# Allegro board SG2042_EVB_V2_0.brd (continued)
## Routing (per net, layer and track width the routed paths; a pad name or vN(x,y) marks a point on that pad's centre or on a via; arc(x,y) is an arc through that point) (continued)
  TOP w0.102: R1228.2 R21.1 R27.2 199.01,245.9 190.55,245.9 J7.3
SPIF1_CLK_SEL1: length 12.8
  TOP w0.102: J7.5 190.55,248.44 198.96,248.44 199.21,248.69 R28.2 R22.1 R1229.2
SPIF1_CS_X: length 31.8
  TOP w0.102: v1(208.53,262.28) R1230.2 R1263.1 209.14,261.42 U813.1
  ART14 w0.102: J7.7 191.01,253.67 191.01,261.29 v1(191.16,261.44)
  BOTTOM w0.102: v1(191.16,261.44) 191.62,260.99 198.5,260.99 198.98,261.47 202.56,261.47 202.92,261.82 208.08,261.82 v1(208.53,262.28)
SPIF1_HOLD_X: length 36.1
  TOP w0.102: v1(206.6,265.4) 199.31,265.4 198.96,265.76 190.4,265.76 J7.17 ; v1(207.26,251.31) R1231.2 R1266.1 207.87,252.17 U813.7
  ART14 w0.102: v1(207.26,251.31) 207.26,261.21 207.72,261.67 207.72,262.74 207.11,263.35 207.11,264.9 v1(206.6,265.4)
SPIF1_SCK: length 20.3
  TOP w0.102: v1(205.99,251.31) R1232.2 U813.6
  BOTTOM w0.102: J7.9 190.7,253.37 200.69,253.37 201.32,252.73 204.57,252.73 v1(205.99,251.31)
SPIF1_SDI: length 24.8
  TOP w0.102: v1(207.26,262.28) R1233.2 U813.2
  ART14 w0.102: v1(191.16,262.05) 190.75,261.65 190.75,258.5 J7.11
  BOTTOM w0.102: v1(191.16,262.05) 191.92,261.29 198.37,261.29 198.86,261.77 202.44,261.77 202.95,262.28 v1(207.26,262.28)
SPIF1_SDO: length 28.9
  TOP w0.102: v1(204.72,251.31) R1234.2 U813.5 ; v1(204.52,261.37) 203.5,260.35 199.31,260.35 198.98,260.68 190.4,260.68 J7.13
  ART14 w0.102: v1(204.72,251.31) 205.1,251.69 205.1,260.78 v1(204.52,261.37)
SPIF1_WP_X: length 19.7
  TOP w0.102: J7.15 190.4,263.22 198.96,263.22 199.29,262.89 202.34,262.89 202.95,262.28 R1265.2 R1264.1 R1235.2 U813.3
SPISCK: length 11.8
  TOP w0.102: R12579.2 U3242.6 26.54,140.59 23.34,143.79 20.88,143.79 20.27,144.4 R12589.1
SPISCK_22472209: length 11.7
  TOP w0.102: R12808.2 U3260.6 220.42,151.05 217.22,154.25 214.88,154.25 214.27,154.86 R12820.1
SPISI: length 13.4
  TOP w0.102: U3242.5 R12581.2 v1(29.97,139.93) ; R12590.1 v1(21.13,144.3)
  BOTTOM w0.102: v1(29.97,139.93) 25.5,139.93 v1(21.13,144.3)
SPISI_22472228: length 13.3
  TOP w0.102: R12822.1 v1(215.14,154.76) ; v1(223.85,150.39) R12810.2 U3260.5
  BOTTOM w0.102: v1(215.14,154.76) 219.51,150.39 v1(223.85,150.39)
SPISO: length 5
  TOP w0.102: 21.77,141.86 R12592.1 v1(20.22,142.47) ; R12591.1 v1(19.25,144.3)
  BOTTOM w0.102: v1(20.22,142.47) 20.22,143.33 v1(19.25,144.3)
SPISO_22472287: length 4.9
  TOP w0.102: v1(214.1,152.93) R12825.1 U3260.2 ; R12823.1 v1(213.26,154.76)
  BOTTOM w0.102: v1(214.1,152.93) 213.26,153.77 v1(213.26,154.76)
SREXT_10048: length 1.4
  TOP w0.102: U3237.18 222.05,66.62 R12562.1
SRX_A_N: length 10.8
  TOP w0.081: v1(225.04,63.25) 224.97,63.32 arc(224.93,63.38) 224.92,63.45 C5849.1
  ART14 w0.089: v1(225.04,63.25) 225.14,63.34 arc(225.21,63.44) 225.23,63.55 225.23,63.67 arc(225.36,63.99) 225.69,64.13 225.87,64.13 arc(226.27,64.05) 226.61,63.82 226.63,63.81 arc(226.86,63.47) 226.94,63.06 226.94,62.97 arc(226.84,62.5) 226.58,62.1 226.26,61.78 arc(225.87,61.52) 225.41,61.43 224.05,61.43 arc(223.71,61.36) 223.43,61.17 223.01,60.75 arc(222.78,60.41) 222.7,60.01 222.7,59.64 arc(222.73,59.58) 222.79,59.55 J73.5
SRX_A_N_L: length 3.4
  TOP w0.081: U3237.23 224.55,67.18 224.68,67.04 224.68,66.08 225.23,65.53 225.23,64.98 C5849.2
SRX_A_P: length 10.8
  TOP w0.081: C5841.1 225.78,63.37 v1(225.65,63.25)
  ART14 w0.089: J73.6 222.37,59.55 arc(222.43,59.58) 222.46,59.64 222.46,60.01 arc(222.56,60.5) 222.84,60.92 223.25,61.34 arc(223.62,61.59) 224.05,61.67 224.28,61.67 arc(224.45,61.74) 224.52,61.91 224.52,62.01 arc(224.75,62.25) 224.99,62.01 224.99,61.91 arc(225.06,61.74) 225.22,61.67 225.41,61.67 arc(225.78,61.74) 226.09,61.95 226.41,62.27 arc(226.62,62.59) 226.69,62.97 226.69,63.06 arc(226.63,63.37) 226.46,63.64 226.44,63.65 arc(226.18,63.83) 225.87,63.89 225.69,63.89 arc(225.53,63.82) 225.47,63.67 225.47,63.55 arc(225.49,63.44) 225.56,63.34 v1(225.65,63.25)
SRX_A_P_L: length 3.4
  TOP w0.081: C5841.2 225.47,64.98 225.47,65.63 224.92,66.18 224.92,67.04 225.05,67.18 U3237.24
SRX_B_N: length 20.8
  TOP w0.081: C5852.2 219.68,63.37 v1(219.56,63.25)
  ART14 w0.089: J2048.5 202.36,59.55 arc(202.3,59.58) 202.27,59.64 202.27,59.95 arc(202.34,60.31) 202.54,60.61 203.08,61.14 arc(203.96,61.73) 205,61.94 218.57,61.94 arc(218.87,62) 219.13,62.17 219.14,62.18 arc(219.31,62.44) 219.37,62.74 219.37,62.94 arc(219.4,63.05) 219.46,63.15 v1(219.56,63.25)
SRX_B_N_L: length 3.4
  TOP w0.081: U3237.14 220.05,67.18 219.92,67.04 219.92,66.08 219.37,65.53 219.37,64.98 C5852.1
SRX_B_P: length 20.8
  TOP w0.081: v1(218.95,63.25) 218.82,63.37 C5840.2
  ART14 w0.089: J2048.6 201.94,59.55 arc(202,59.58) 202.03,59.64 202.03,59.95 arc(202.12,60.4) 202.37,60.78 202.91,61.32 arc(203.87,61.95) 205,62.18 218.57,62.18 arc(218.78,62.22) 218.96,62.34 218.97,62.36 arc(219.09,62.53) 219.13,62.74 219.13,62.94 arc(219.11,63.05) 219.05,63.15 v1(218.95,63.25)
SRX_B_P_L: length 3.4
  TOP w0.081: U3237.13 219.55,67.18 219.68,67.04 219.68,66.18 219.14,65.63 219.14,64.98 C5840.1
SSP0_CLK: length 19.2
  TOP w0.102: U3275.6 v1(196.32,78.51) ; U3273.C10 v1(189.88,93.25)
  ART03 w0.102: v1(189.88,93.25) 190.65,92.47 190.65,91.34 191.39,90.6 191.39,86.81 192.43,85.77 192.43,82.4 v1(196.32,78.51)
SSP0_RXD: length 17.9
  TOP w0.102: U3273.E9 v1(190.68,94.85) ; U3275.2 v1(189.66,79.78)
  ART03 w0.102: v1(189.66,79.78) 190.07,80.19 190.07,86.18 190.27,86.38 190.27,88.52 189.48,89.31 189.48,93.64 v1(190.68,94.85)
SSP0_SFOUT: length 17.9
  TOP w0.102: U3273.F10 v1(189.88,95.64) ; U3275.1 v1(189.66,81.05)
  ART03 w0.102: v1(189.88,95.64) 189.34,95.64 188.68,94.98 188.68,89.75 190.02,88.41 190.02,86.49 189.81,86.28 189.81,81.2 v1(189.66,81.05)
SSP0_TXD: length 23.8
  TOP w0.102: U3273.F9 v1(190.68,95.64) ; U3275.5 v1(198.81,77.24)
  ART03 w0.102: v1(190.68,95.64) 191.08,95.24 191.08,93.7 191.88,92.91 191.88,90.84 191.64,90.6 191.64,86.92 192.68,85.88 192.68,83.36 v1(198.81,77.24)
SSRX1_N: length 4.2
  TOP w0.099: R12600.2 19.25,210.55 D543.2 18.54,210.65 arc(18.45,210.71) 18.33,210.74 16.23,210.74 arc(16.16,210.71) 16.13,210.64 CON1100.14
SSRX1_P: length 4.2
  TOP w0.099: R12602.2 19.25,211.14 D544.2 18.55,211.05 arc(18.45,210.99) 18.35,210.96 16.23,210.96 arc(16.16,210.99) 16.13,211.06 CON1100.15
SSRX2_N: length 15.7
  BOTTOM w0.099: R12601.2 26.05,210.55 D537.2 25.35,210.65 arc(25.26,210.71) 25.15,210.73 24.89,210.73 arc(24.6,210.67) 24.35,210.51 23.37,209.52 arc(23.04,209.31) 22.67,209.23 18.36,209.23 arc(17.98,209.31) 17.66,209.52 16.67,210.51 arc(16.43,210.68) 16.13,210.74 15.79,210.74 arc(15.6,210.77) 15.44,210.88 15.17,211.14 arc(14.93,211.31) 14.64,211.37 14.52,211.37 arc(14.23,211.31) 13.99,211.14 13.83,210.99 arc(13.55,210.8) 13.22,210.74 13.03,210.74 arc(12.96,210.71) 12.93,210.64 CON1100.5
SSRX2_P: length 15.7
  BOTTOM w0.099: CON1100.6 12.93,211.06 arc(12.96,210.99) 13.03,210.96 13.22,210.96 arc(13.46,211.01) 13.67,211.15 13.82,211.31 arc(14.15,211.52) 14.52,211.6 14.64,211.6 arc(15.01,211.52) 15.34,211.31 15.6,211.04 arc(15.69,210.98) 15.79,210.96 16.13,210.96 arc(16.51,210.89) 16.83,210.67 17.82,209.68 arc(18.07,209.52) 18.36,209.46 22.67,209.46 arc(22.96,209.52) 23.2,209.68 24.19,210.67 arc(24.51,210.88) 24.89,210.96 25.15,210.96 arc(25.26,210.98) 25.35,211.05 D538.2 26.05,211.14 R12603.2
SSRX3_N: length 4.2
  TOP w0.099: CON1101.14 16.13,192.74 arc(16.16,192.81) 16.23,192.84 18.32,192.84 arc(18.44,192.81) 18.54,192.74 D577.2 19.25,192.64 R12784.2
SSRX3_P: length 4.2
  TOP w0.099: CON1101.15 16.13,193.16 arc(16.16,193.09) 16.23,193.06 18.36,193.06 arc(18.46,193.09) 18.55,193.14 D578.2 19.25,193.24 R12786.2
SSRX4_N: length 15.7
  BOTTOM w0.099: CON1101.5 12.93,192.74 arc(12.96,192.81) 13.03,192.84 13.25,192.84 arc(13.55,192.9) 13.81,193.06 13.99,193.24 arc(14.23,193.41) 14.52,193.47 14.64,193.47 arc(14.93,193.41) 15.17,193.24 15.29,193.13 arc(15.61,192.91) 15.99,192.84 16.13,192.84 arc(16.42,192.78) 16.67,192.61 17.67,191.62 arc(17.99,191.4) 18.37,191.33 22.67,191.33 arc(23.04,191.4) 23.37,191.62 24.35,192.6 arc(24.6,192.77) 24.89,192.82 25.15,192.82 arc(25.26,192.8) 25.35,192.74 D571.2 26.05,192.64 R12785.2
SSRX4_P: length 15.7
  BOTTOM w0.099: R12787.2 26.05,193.24 D572.2 25.35,193.14 arc(25.26,193.07) 25.15,193.05 24.89,193.05 arc(24.51,192.98) 24.19,192.76 23.2,191.78 arc(22.96,191.61) 22.67,191.55 18.37,191.55 arc(18.08,191.61) 17.83,191.78 16.83,192.77 arc(16.51,192.99) 16.13,193.06 15.99,193.06 arc(15.7,193.12) 15.45,193.29 15.34,193.41 arc(15.01,193.62) 14.64,193.7 14.52,193.7 arc(14.15,193.62) 13.82,193.41 13.64,193.23 arc(13.47,193.11) 13.25,193.06 13.03,193.06 arc(12.96,193.09) 12.93,193.16 CON1101.6
SSTX1_N: length 4.2
  TOP w0.099: CON1100.17 16.13,216.64 arc(16.16,216.71) 16.23,216.74 18.32,216.74 arc(18.44,216.71) 18.54,216.65 D541.2 19.25,216.54 R12604.2
SSTX1_P: length 4.2
  TOP w0.099: R12606.2 19.25,217.14 D542.2 18.55,217.04 arc(18.46,216.99) 18.36,216.96 16.23,216.96 arc(16.16,216.99) 16.13,217.06 CON1100.18
SSTX2_N: length 15.7
  BOTTOM w0.099: CON1100.8 12.93,216.64 arc(12.96,216.71) 13.03,216.74 13.25,216.74 arc(13.47,216.69) 13.64,216.57 13.82,216.39 arc(14.15,216.18) 14.52,216.1 14.64,216.1 arc(15.01,216.18) 15.34,216.39 15.45,216.51 arc(15.7,216.68) 15.99,216.74 16.13,216.74 arc(16.42,216.68) 16.67,216.51 17.66,215.52 arc(17.99,215.3) 18.37,215.23 22.67,215.23 arc(23.04,215.3) 23.37,215.52 24.35,216.5 arc(24.6,216.67) 24.89,216.73 25.15,216.73 arc(25.26,216.7) 25.35,216.64 D535.2 26.05,216.54 R12605.2
SSTX2_P: length 15.7
  BOTTOM w0.099: R12607.2 26.05,217.14 D536.2 25.35,217.04 arc(25.26,216.98) 25.15,216.95 24.89,216.95 arc(24.51,216.88) 24.19,216.66 23.2,215.68 arc(22.96,215.51) 22.67,215.46 18.37,215.46 arc(18.07,215.51) 17.83,215.68 16.83,216.67 arc(16.51,216.89) 16.13,216.96 15.99,216.96 arc(15.61,216.89) 15.29,216.67 15.17,216.56 arc(14.93,216.39) 14.64,216.33 14.52,216.33 arc(14.23,216.39) 13.99,216.56 13.81,216.74 arc(13.55,216.9) 13.25,216.96 13.03,216.96 arc(12.96,216.99) 12.93,217.06 CON1100.9
SSTX3_N: length 4.2
  TOP w0.099: CON1101.17 16.13,198.74 arc(16.16,198.81) 16.23,198.84 18.31,198.84 arc(18.43,198.81) 18.54,198.74 D575.2 19.25,198.63 R12788.2
SSTX3_P: length 4.1
  TOP w0.099: CON1101.18 16.13,199.5 arc(16.26,199.19) 16.56,199.06 18.37,199.06 arc(18.47,199.08) 18.55,199.14 D576.2 19.25,199.23 R12790.2
SSTX4_N: length 15.7
  BOTTOM w0.099: CON1101.8 12.93,198.74 arc(12.96,198.81) 13.03,198.84 13.25,198.84 arc(13.47,198.79) 13.64,198.67 13.82,198.49 arc(14.15,198.28) 14.52,198.2 14.64,198.2 arc(15.01,198.28) 15.34,198.49 15.45,198.61 arc(15.7,198.78) 15.99,198.84 16.13,198.84 arc(16.42,198.78) 16.67,198.61 17.64,197.64 arc(17.96,197.42) 18.34,197.35 22.67,197.35 arc(23.04,197.42) 23.37,197.64 24.35,198.62 arc(24.6,198.79) 24.89,198.84 25.15,198.84 arc(25.26,198.82) 25.35,198.76 D569.2 26.05,198.66 R12789.2
SSTX4_P: length 15.7
  BOTTOM w0.099: CON1101.9 12.93,199.16 arc(12.96,199.09) 13.03,199.06 13.25,199.06 arc(13.55,199) 13.81,198.84 13.99,198.66 arc(14.23,198.49) 14.52,198.43 14.64,198.43 arc(14.93,198.49) 15.17,198.66 15.29,198.77 arc(15.61,198.99) 15.99,199.06 16.13,199.06 arc(16.51,198.99) 16.83,198.77 17.8,197.8 arc(18.05,197.63) 18.34,197.57 22.67,197.57 arc(22.96,197.63) 23.2,197.8 24.19,198.78 arc(24.51,199) 24.89,199.07 25.15,199.07 arc(25.26,199.09) 25.35,199.16 D570.2 26.05,199.26 R12791.2
STATUS_LED0: length 0.9
  TOP w0.102: R2251.2 R2080.1
STX_A_N: length 16
  TOP w0.081: v1(223.62,63.25) 223.75,63.37 C5856.1
  ART14 w0.089: J73.3 226.18,59.55 arc(226.24,59.58) 226.27,59.64 226.27,59.87 arc(226.34,60.23) 226.55,60.54 229.09,63.08 arc(229.4,63.55) 229.51,64.1 229.51,64.25 arc(229.43,64.68) 229.18,65.05 229.06,65.17 arc(228.8,65.34) 228.49,65.41 227.28,65.41 arc(227.12,65.34) 227.05,65.17 227.05,65.07 arc(226.81,64.83) 226.58,65.07 226.58,65.17 arc(226.51,65.34) 226.34,65.41 225.8,65.41 arc(225.1,65.27) 224.51,64.87 223.5,63.86 arc(223.45,63.79) 223.44,63.71 223.44,63.55 arc(223.46,63.44) 223.52,63.34 v1(223.62,63.25)
STX_A_N_L: length 3.2
  TOP w0.081: U3237.21 223.55,67.18 223.42,67.04 223.42,65 C5856.2
STX_A_P: length 16
  TOP w0.081: v1(223.01,63.25) 222.88,63.37 C5858.1
  ART14 w0.089: J73.2 226.6,59.55 arc(226.54,59.58) 226.51,59.64 226.51,59.87 arc(226.56,60.14) 226.72,60.37 229.26,62.91 arc(229.63,63.46) 229.76,64.1 229.76,64.25 arc(229.65,64.78) 229.35,65.23 229.24,65.34 arc(228.9,65.57) 228.49,65.65 225.8,65.65 arc(225.01,65.49) 224.34,65.04 223.33,64.03 arc(223.23,63.88) 223.2,63.71 223.2,63.55 arc(223.17,63.44) 223.11,63.34 v1(223.01,63.25)
STX_A_P_L: length 3.2
  TOP w0.081: U3237.20 223.05,67.18 223.18,67.04 223.18,64.97 C5858.2
STX_B_N: length 19
  TOP w0.081: v1(220.98,63.25) 220.85,63.37 C5855.2
  ART14 w0.089: v1(220.98,63.25) 221.08,63.15 arc(221.14,63.05) 221.16,62.94 221.16,62.78 arc(221.12,62.54) 220.98,62.33 220.51,61.87 arc(219.81,61.4) 218.98,61.23 207.19,61.23 arc(206.68,61.13) 206.25,60.84 206.18,60.78 arc(205.93,60.4) 205.84,59.95 205.84,59.64 arc(205.81,59.58) 205.75,59.55 J2048.3
STX_B_N_L: length 3.2
  TOP w0.081: U3237.16 221.05,67.18 221.18,67.04 221.18,65 C5855.1
STX_B_P: length 19
  TOP w0.081: C5857.2 221.72,63.37 v1(221.59,63.25)
  ART14 w0.089: J2048.2 206.17,59.55 arc(206.11,59.58) 206.08,59.64 206.08,59.95 arc(206.15,60.31) 206.35,60.61 206.42,60.67 arc(206.77,60.91) 207.19,60.99 218.98,60.99 arc(219.9,61.17) 220.69,61.7 221.15,62.16 arc(221.34,62.44) 221.41,62.78 221.41,62.94 arc(221.43,63.05) 221.49,63.15 v1(221.59,63.25)
STX_B_P_L: length 3.2
  TOP w0.081: C5857.1 221.42,64.97 221.42,67.04 221.55,67.18 U3237.17
SYS_RST_X: length 396.3
  TOP w0.102: v1(222.51,190.17) K2.2 K2.4 222.51,176.93 T5.1 R2302.1 C3267.1 ; U1.J25 v1(112.75,241.05) ; R2474.1 v1(212.57,233.32)
  ART05 w0.102: v1(211.25,300.71) 208.99,302.97 58.34,302.97 v1(47.12,291.74) ; v1(222.51,190.17) 223.24,190.9 223.24,216.28 212.57,226.95 v1(212.57,233.32)
  ART14 w0.102: v1(47.12,291.74) 47.29,291.92 71.48,291.92 113.13,250.27 113.13,241.43 v1(112.75,241.05) ; v1(212.57,233.32) 214.43,235.18 214.43,285.22 211.25,288.39 v1(211.25,300.71)
SYS_RST_X_H: length 271.2
  TOP w0.102: R2104.1 111.18,40.77 111.18,48.84 119.31,56.97 156.91,56.97 159.63,59.69 v1(160.3,59.69) ; R2306.2 v1(212.57,245.31)
  ART14 w0.102: v1(160.3,59.69) 160.5,59.89 160.5,77.23 161.37,78.1 161.37,82.37 171.81,92.81 171.81,119.06 203.33,150.58 203.33,232.61 212.57,241.85 v1(212.57,245.31)
TEMP_N: length 411.1
  TOP w0.102: v1(136.27,24.16) 136.14,24.28 R189.1 ; U1.C31 v1(119.75,247.05)
  ART03 w0.102: v1(157.45,24) 157.63,23.83 159,23.83 194.18,59.01 194.18,70.41 204.19,80.42 204.19,96.99 203.96,97.21 203.96,109.21 208.15,113.4 208.15,136.99 202.08,143.06 202.08,231.66 198.88,234.86 198.88,282.45 197.39,283.95 193,283.95 189.02,287.93 179.11,287.93 176.85,290.19 172.65,290.19 170.75,288.29 163.35,288.29 129.39,254.33 123.78,254.33 119.45,250 119.45,247.35 v1(119.75,247.05)
  BOTTOM w0.102: v1(157.45,24) 157.28,23.83 149.33,23.83 147.71,22.2 138.53,22.2 136.78,23.95 136.47,23.95 v1(136.27,24.16)
TEMP_P: length 413.2
  TOP w0.102: U1.D31 v1(119.75,246.05) ; v1(136.27,23.55) 136.14,23.42 R173.1
  ART03 w0.102: v1(119.75,246.05) 119.25,246.55 119.25,250.09 123.7,254.53 129.3,254.53 163.26,288.49 170.66,288.49 172.57,290.4 176.94,290.4 179.2,288.14 189.1,288.14 193.09,284.15 197.47,284.15 199.09,282.54 199.09,234.94 202.29,231.74 202.29,143.15 208.36,137.08 208.36,113.32 204.17,109.13 204.17,97.3 204.39,97.07 204.39,80.34 194.39,70.33 194.39,58.93 159.08,23.62 157.63,23.62 v1(157.45,23.44)
  BOTTOM w0.102: v1(136.27,23.55) 136.47,23.75 136.69,23.75 138.45,22 147.79,22 149.42,23.62 157.28,23.62 v1(157.45,23.44)
TEST_EN: length 87.3
  TOP w0.102: R143.1 R167.2 v1(186.51,277.8) ; U1.G41 v1(129.75,243.05)
  ART03 w0.102: v1(186.51,277.8) 186.13,278.18 186.13,280.14 185.93,280.34 185.93,284.44 185.13,285.24 164.61,285.24 130.87,251.5 130.87,247.81 130.37,247.31 130.37,243.67 v1(129.75,243.05)
TEST_MOD: length 9.9
  TOP w0.102: R2490.2 v1(135.76,30.89)
  BOTTOM w0.102: J2005.6 141.68,25.6 136.39,30.89 v1(135.76,30.89) R2490.2
TEST_MODE_BSD: length 81.2
  TOP w0.102: v1(186.51,281.25) R168.2 R147.1 ; U1.C41 v1(129.75,247.05)
  ART03 w0.102: v1(186.51,281.25) 186.51,284.43 185.29,285.65 164.44,285.65 129.78,250.98 129.78,248.76 130.13,248.41 130.13,247.76 129.75,247.38 v1(129.75,247.05)
TEST_MODE_MBIST: length 85.4
  TOP w0.102: 190.37,276.94 190.37,277.8 v1(189.76,277.8) ; U1.B41 v1(129.75,248.05)
  ART03 w0.102: v1(129.75,248.05) 129.57,248.23 129.57,251.07 164.36,285.85 185.38,285.85 189.18,282.05 189.18,278.38 v1(189.76,277.8)
TEST_MODE_SCAN: length 90.2
  TOP w0.102: U1.J41 v1(129.75,241.05) ; 190.37,280.39 190.37,281.25 v1(189.76,281.25)
  ART03 w0.102: v1(189.76,281.25) 189.76,282.04 185.55,286.26 164.19,286.26 129.17,251.23 129.17,241.63 v1(129.75,241.05)
TESTEN: length 1.5
  TOP w0.102: U3235.AB4 v1(139.66,89.81)
  BOTTOM w0.102: R12505.2 v1(139.66,89.81)
TMON0: length 138.1
  TOP w0.102: v1(89.11,300.02) 89.16,299.97 U3262.32 ; U3264.32 109.63,299.97 v1(109.58,300.02) ; v1(130.05,300.02) 130.11,299.97 U3266.32 ; U3265.32 119.87,299.97 v1(119.82,300.02) ; v1(99.35,300.02) 99.4,299.97 U3263.32 ; U202.44 203.93,296.54 204.47,297.08 204.47,298.35 v1(204.88,298.75) C3374.2 ; U3267.32 140.34,299.97 v1(140.29,300.02)
  ART03 w0.102: v1(204.88,298.75) 198.53,298.75 197.38,299.9 193.62,299.9 192.12,298.4 184.08,298.4 180.04,294.36 163.4,294.36 157.07,300.69 145.97,300.69 145.82,300.84 144.82,300.84 143.07,299.08 141.23,299.08 v1(140.29,300.02) 136.4,300.02 135.59,300.84 134.58,300.84 132.83,299.08 130.99,299.08 v1(130.05,300.02) 126.16,300.02 125.35,300.84 124.35,300.84 122.6,299.08 120.76,299.08 v1(119.82,300.02) 115.93,300.02 115.11,300.84 114.11,300.84 112.36,299.08 110.52,299.08 v1(109.58,300.02) 105.69,300.02 104.88,300.84 103.88,300.84 102.12,299.08 100.29,299.08 v1(99.35,300.02) 95.45,300.02 94.64,300.84 93.64,300.84 91.89,299.08 90.05,299.08 v1(89.11,300.02)
TMON1: length 266.5
  TOP w0.102: U202.45 203.9,296.94 204.2,297.24 204.2,298.95 v1(204.88,299.62) C3405.2 ; v1(106.04,141.05) 105.99,141.1 U3268.32
  ART03 w0.102: v1(210.74,169.21) 211.12,169.6 211.12,170.03 208.99,172.16 208.99,225.43 216.61,233.05 216.61,273.35 213.11,276.85 213.11,285.1 210.59,287.62 210.59,296.93 208.08,299.44 205.05,299.44 v1(204.88,299.62)
  ART05 w0.102: v1(210.74,169.21) 209.09,169.21 206.26,166.39 206.26,162.49 199.21,155.45 154.42,155.45 138.24,139.27 107.82,139.27 v1(106.04,141.05)
TRST0: length 5.5
  TOP w0.102: U3273.H5 193.88,98.04 198.38,98.04 R12972.1
TWARN_VDD_TPU: length 2.6
  TOP w0.102: R2545.2 195.96,297.34 U202.15
UART0_RX: length 1.8
  TOP w0.102: U12.4 221.73,132.24 R205.1
UART0_RX_H: length 37
  TOP w0.102: SW202.2 v1(207.24,126.09) ; R2229.2 v1(222.05,122)
  BOTTOM w0.102: J17.17 237.67,123.93 226.05,123.93 224.12,122 v1(222.05,122) 221.64,122.4 221,122.4 219.98,121.39 217.8,121.39 214.09,125.09 208.23,125.09 v1(207.24,126.09)
UART0_TX: length 1.7
  TOP w0.102: R206.1 221.08,132.46 U12.5
UART0_TX_H: length 36.7
  TOP w0.102: R2230.2 v1(221.18,122) ; SW202.1 v1(207.24,124.82)
  BOTTOM w0.102: v1(207.24,124.82) 207.31,124.89 214.01,124.89 217.72,121.18 220.37,121.18 v1(221.18,122) 221.59,121.59 224,121.59 226.14,123.72 237.67,123.72 J17.15
UART1_RX: length 1.9
  TOP w0.102: R216.1 219.13,132.03 U12.8
UART1_RX_H: length 39.4
  TOP w0.102: SW202.4 v1(207.24,128.63) ; R2233.2 v1(218.59,122)
  BOTTOM w0.102: v1(207.24,128.63) 210.36,125.5 215.09,125.5 v1(218.59,122) 219.48,122.89 224.12,122.89 227.73,126.49 232.25,126.49 234.76,129.01 237.67,129.01 J17.21
UART1_TX: length 2
  TOP w0.102: U12.9 218.48,131.82 R218.1
UART1_TX_H: length 39.1
  TOP w0.102: R2234.2 v1(217.73,122) ; SW202.3 v1(207.24,127.36)
  BOTTOM w0.102: v1(207.24,127.36) 209.3,125.3 214.43,125.3 v1(217.73,122) 218.14,121.59 218.78,121.59 219.87,122.68 224.21,122.68 227.81,126.29 232.33,126.29 234.85,128.8 237.67,128.8 J17.19
UART2_CTS: length 1.7
  TOP w0.102: R221.1 223.68,113.97 U14.1
UART2_CTS_H: length 6.7
  TOP w0.102: R2219.2 v1(223.77,103.5)
  ART14 w0.102: J14.4 227.58,107.31 v1(223.77,103.5)
UART2_RTS: length 1.9
  TOP w0.102: R223.1 222.38,113.54 U14.3
UART2_RTS_H: length 9.2
  TOP w0.102: R2220.2 v1(222.91,103.5)
  ART14 w0.102: J14.6 226.77,108.33 226.77,107.37 v1(222.91,103.5)
UART2_RX: length 1.8
  TOP w0.102: U14.4 221.73,113.75 R224.1
UART2_RX_H: length 14.6
  TOP w0.102: R2221.2 v1(222.05,103.5)
  ART14 w0.102: J14.10 226.75,113.39 226.75,111.43 225.96,110.64 225.96,108.66 222.05,104.75 v1(222.05,103.5)
UART2_TX: length 1.7
  TOP w0.102: U14.5 221.08,113.96 R230.1
UART2_TX_H: length 14.2
  TOP w0.102: v1(222.05,102.64) 221.18,103.5 R2222.2
  ART14 w0.102: J14.8 226.36,110.46 226.36,108.56 222.48,104.67 222.48,103.07 v1(222.05,102.64)
UART3_CTS: length 1.7
  TOP w0.102: R233.1 220.43,113.96 U14.6
UART3_CTS_H: length 17.9
  TOP w0.102: R2223.2 v1(220.32,103.5)
  ART14 w0.102: J14.12 226.34,115.52 226.34,111.61 225.55,110.82 225.55,109.98 224.26,108.69 224.26,107.44 v1(220.32,103.5)
UART3_RTS: length 1.8
  TOP w0.102: U14.7 219.78,113.75 R236.1
UART3_RTS_H: length 20.8
  TOP w0.102: R2224.2 v1(219.46,103.5)
  ART14 w0.102: v1(219.46,103.5) 223.85,107.9 223.85,108.86 225.15,110.16 225.15,111 225.93,111.79 225.93,117.65 J14.14
UART3_RX: length 1.9
  TOP w0.102: U14.8 219.13,113.54 R238.1
UART3_RX_H: length 26.2
  TOP w0.102: R2225.2 v1(218.59,103.5)
  ART14 w0.102: J14.18 225.12,121.92 225.12,112.14 223.04,110.06 223.04,108.41 218.59,103.96 v1(218.59,103.5)
UART3_TX: length 2
  TOP w0.102: U14.9 218.48,113.32 R240.1
UART3_TX_H: length 25.8
  TOP w0.102: v1(218.59,102.64) 217.73,103.5 R2226.2
  ART14 w0.102: J14.16 225.53,119.79 225.53,111.96 223.44,109.88 223.44,108.23 219.02,103.81 219.02,103.07 v1(218.59,102.64)
UART_RX: length 7.5
  TOP w0.102: U3235.B9 156.46,85.81 157.42,85.81 159.21,87.6 R13030.1 R13031.1
UART_RX_H: length 202.2
  TOP w0.102: 199.62,128.63 199.62,131.06 199.52,131.17 SW202.7 197.59,131.17 195.99,132.77 159.84,132.77 156.66,135.94 57.17,135.94 55.68,137.44 53.01,137.44 49.1,141.35 49.1,147.17 32.82,163.45 R2471.2 ; 199.62,128.63 199.62,126.19 199.52,126.09 SW202.11 ; 199.62,128.63 SW202.9
UART_TX: length 4.3
  TOP w0.102: U3235.A9 157.57,85.41 158.95,86.79 R12513.1 R12526.1
UART_TX_H: length 201.4
  TOP w0.102: 197.59,129.9 SW202.8 ; 197.59,129.9 197.59,127.36 ; 197.59,129.9 195.02,132.46 159.71,132.46 156.54,135.64 57.05,135.64 55.55,137.13 52.88,137.13 48.79,141.22 48.79,147.04 33.25,162.59 R2470.2 ; SW202.12 197.69,124.82 197.59,124.92 197.59,127.36 ; 197.59,127.36 SW202.10
UPE_CLKREQN: length 5.6
  TOP w0.102: U3235.AF3 136.29,90.21 134.95,88.87 132.66,88.87 R12492.2
USB1_DN: length 80
  TOP w0.099: U3241.42 31.52,151.39 31.6,151.3 36.61,151.3 v1(36.8,151.49) ; v1(22.17,214.15) 22.08,214.24 L1017.3 21.42,214.27 R12608.1
  ART14 w0.107: v1(36.8,151.49) 36.7,151.39 arc(36.61,151.33) 36.49,151.31 36.38,151.31 arc(36.24,151.37) 36.17,151.52 36.17,155.32 arc(36.09,155.73) 35.86,156.08 35.51,156.42 arc(35.13,157) 34.99,157.69 34.99,207.58 30.11,212.46 24.77,212.46 arc(24.56,212.5) 24.39,212.62 23.2,213.8 arc(23.03,213.92) 22.82,213.96 22.48,213.96 arc(22.37,213.98) 22.28,214.05 v1(22.17,214.15)
USB1_DP: length 80
  TOP w0.099: v1(22.17,213.54) 22.08,213.44 L1017.2 21.42,213.41 R12610.1 ; U3241.41 31.52,150.99 31.6,151.08 36.61,151.08 v1(36.8,150.89)
  ART14 w0.107: v1(22.17,213.54) 22.28,213.64 arc(22.37,213.7) 22.48,213.73 22.73,213.73 arc(22.93,213.69) 23.1,213.57 24.22,212.45 arc(24.47,212.29) 24.76,212.23 30.01,212.23 34.76,207.48 34.76,157.69 arc(34.91,156.91) 35.35,156.26 35.7,155.91 arc(35.88,155.64) 35.94,155.32 35.94,151.52 arc(36.07,151.2) 36.38,151.07 36.49,151.07 arc(36.61,151.05) 36.7,150.99 v1(36.8,150.89)
USB1_RX_N: length 0.9
  TOP w0.099: R12600.1 C6010.1
USB1_RX_P: length 0.9
  TOP w0.099: R12602.1 C6009.1
USB1_TX_N: length 0.9
  TOP w0.099: R12604.1 C5923.1
USB1_TX_N_L: length 85.2
  TOP w0.099: v1(22.5,216.53) 22.38,216.41 C5923.2 ; v1(35.18,149.1) 34.99,148.9 31.6,148.9 31.52,148.99 U3241.36
  ART14 w0.107: v1(35.18,149.1) 35.28,148.99 arc(35.38,148.93) 35.49,148.91 35.95,148.91 arc(36.47,149.01) 36.91,149.3 37.68,150.07 arc(37.86,150.34) 37.92,150.66 37.92,153.81 arc(37.67,155.09) 36.94,156.17 36.87,156.24 arc(36.1,157.4) 35.82,158.78 35.82,209.58 30.18,215.22 24.93,215.22 arc(24.64,215.28) 24.39,215.45 24.39,215.45 24.23,215.61 arc(24.07,215.68) 23.91,215.61 23.83,215.53 arc(23.48,215.53) 23.48,215.88 23.55,215.94 arc(23.62,216.12) 23.55,216.29 23.25,216.58 arc(23.1,216.69) 22.91,216.72 22.81,216.72 arc(22.7,216.7) 22.61,216.64 v1(22.5,216.53)
USB1_TX_P: length 0.9
  TOP w0.099: R12606.1 C5922.1
USB1_TX_P_L: length 85.2
  TOP w0.099: v1(22.5,217.14) 22.38,217.27 C5922.2 ; U3241.35 31.52,148.59 31.6,148.68 34.99,148.68 v1(35.18,148.49)
  ART14 w0.107: v1(35.18,148.49) 35.28,148.59 arc(35.38,148.65) 35.49,148.67 35.95,148.67 arc(36.56,148.79) 37.07,149.14 37.84,149.91 arc(38.07,150.25) 38.16,150.66 38.16,153.81 arc(37.88,155.18) 37.11,156.34 37.04,156.41 arc(36.31,157.49) 36.06,158.78 36.06,209.67 30.27,215.46 24.93,215.46 arc(24.73,215.5) 24.55,215.61 23.37,216.8 arc(23.19,216.92) 22.99,216.96 22.81,216.96 arc(22.7,216.98) 22.61,217.04 v1(22.5,217.14)
